# Altium PCB Control_Board_Model_C204.PcbDoc (part 5 of 6) (continued)
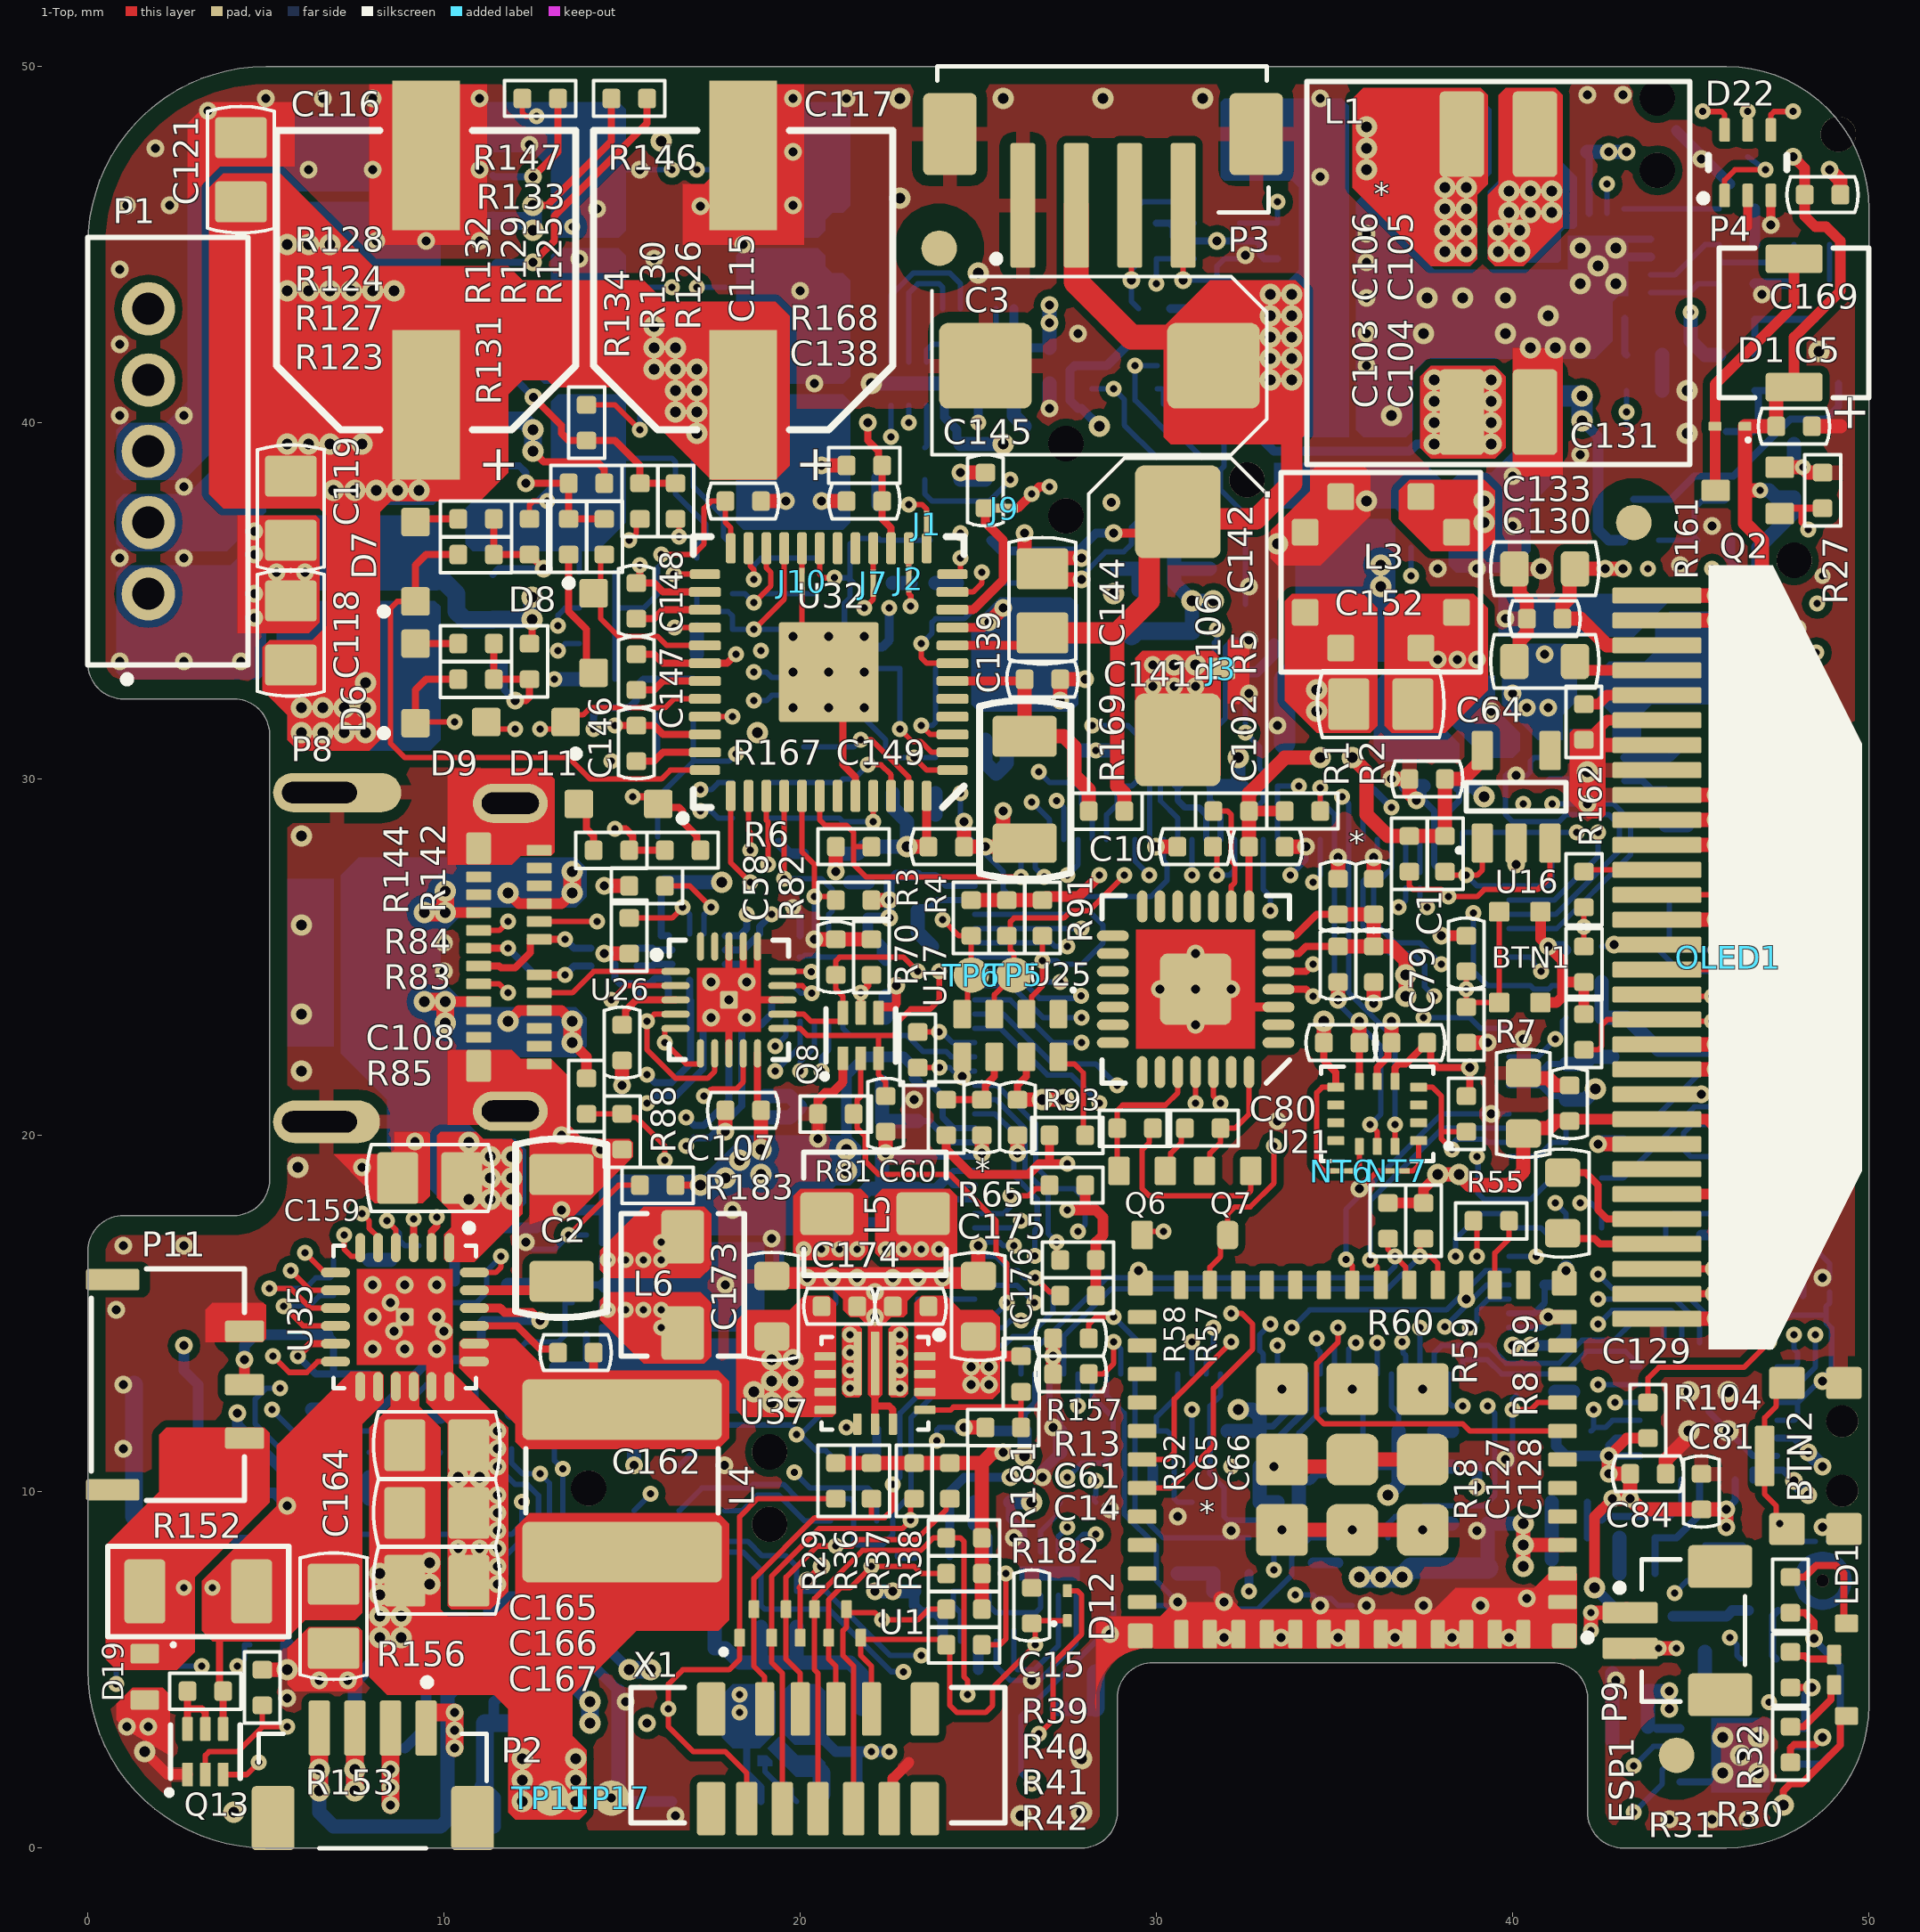
[diagram p0: 1-Top view]
## Nets (pads, with @x,y where several pads share a name; then routed paths per layer and width w, separated by ;. In a path a pad name is that pad's centre, name@x,y a point inside that pad or via, vN(x,y) a via of type N, cw(c..) or ccw(c..) an arc to the next point about the centre after c; other vN are vias at no path point) (continued)
  4-PWR w0.152: v1(43.8,35.9) v1(45.6,35.9)
  8-Bottom w0.152: v1(31.7,27.3) 32.041,27.3 32.2,27.459 U24.80@32.2,28.3
PC7: C11.1 R38.1 U1.8 U24.81 X1.4 | length 71.4
  1-Top w0.152: X1.4@20,3.9 20,4.9 19.6,5.3 U1.8@19.6,6.7 19.6,7.6 20.473,8.473 v1(21,8.473) 21.442,8.473 21.627,8.658 23.258,8.658 24.1,9.5 R38.1@24.1,9.8
  3-SIGNAL w0.152: v1(21,8.473) 22.227,9.7 23.169,9.7 26.49,13.021 26.49,13.562 27.081,14.153 27.081,15.905 28.381,17.205 28.381,19.685 30.992,22.295 37.195,22.295 38.21,23.31 40.579,23.31 43.395,26.126 43.395,34.295 44.4,35.3 44.4,36.2 44.1,36.5 39.7,36.5 36.5,33.3 33.3,33.3 32.5,32.5 v1(32.5,31.3)
  8-Bottom w0.152: C11.1@32.5,32 v1(32.5,31.3) 32.9,30.9 32.9,30.3 33,30.2 33,29.4 32.6,29 U24.81@32.6,28.3
PC8: R5.1 TP1.1 U8.3 U20.5 U20.16 U21.13 U22.19 U24.87 U29.6 U32.40 U35.5 | length 113.9
  1-Top w0.152: v1(7.7,17.8) 7.896,17.604 7.896,17.396 8.15,17.141 U35.5@8.15,16.85 ; v1(19.55,27.2) U32.40@19.55,29.525 ; R5.1@34.6,29.1 34.6,29.752 v1(34.602,29.754) ; v1(36,20.3) 36.2,20.1 U21.13@36.2,19.688
  3-SIGNAL w0.152: v1(4.2,5.1) 3.7,4.6 3,4.6 2.746,4.854 2.746,5.546 6.7,9.5 6.7,17.5 7,17.8 v1(7.7,17.8) 7.9,17.6 7.9,17.3 9.2,16 16.8,16 19.8,19 19.8,20.598 20.602,21.4 v1(20.602,21.8) ; v1(19.55,27.2) 19.921,27.571 24.671,27.571 25.9,28.8 27.7,28.8 28.1,29.2 34.048,29.2 v1(34.602,29.754)
  6-SIGNAL w0.152: v1(19.55,27.2) 20.7,27.2 20.9,27 20.9,22.9 20.6,22.6 20.602,22.598 v1(20.602,21.8) ; v1(36,20.3) 36,19 37,18 40.2,18 40.8,18.6 44.569,18.6 47.898,15.271 v1(47.898,14.4) 47.898,13.698 47.15,12.95 46.9,12.7 46.6,12.4 46.6,5.2 44.2,2.8 43.2,2.8 42.8,2.4 42.8,1.6 v1(43.4,1)
  8-Bottom w0.152: v1(4.2,5.1) 4.4,5.3 4.4,5.7 U8.3@4.55,5.7 ; v1(19.55,27.2) 20.6,27.2 20.9,26.9 20.9,26.3 20.8,26.2 U20.16@20.8,25.6 ; v1(20.602,21.8) 20.6,21.802 20.6,22.2 20.8,22.4 U20.5@20.8,23.2 ; v1(34.602,29.754) 34.602,29.398 35,29 U24.87@35,28.3 35,23.8 36.3,22.5 36.3,20.6 v1(36,20.3) ; v1(43.4,1) 44.2,1.8 44.2,2.2 44.35,2.35 U29.6@44.9,2.35 ; U22.19@47.425,13.5 47.9,13.5 48,13.6 48,13.9 47.9,14 47.9,14.398 v1(47.898,14.4)
PC9: R6.1 TP2.1 U8.4 U20.6 U20.15 U21.14 U22.20 U24.88 U29.7 U32.41 U35.6 | length 109.7
  1-Top w0.152: v1(7.2,17.2) 7.2,16.8 7.4,16.6 7.6,16.6 7.65,16.65 U35.6@7.65,16.85 ; U32.41@20.05,29.525 20.05,27.95 20.4,27.6 v1(20.4,26.7) R6.1@21,26.7 ; U21.14@36.7,19.688 v1(36.7,20.3)
  3-SIGNAL w0.152: v1(3.2,5.1) 3.2,5.5 7.1,9.4 7.1,16.6 7.2,16.7 v1(7.2,17.2) 7.5,17.2 9.1,15.6 17,15.6 20.2,18.8 20.2,20.5 21.1,21.4 21.1,22.1 20.9,22.3 20.2,22.3 20,22.1 v1(20,21.8) ; v1(20.4,26.7) 21.6,26.7 22.1,27.2 24.9,27.2 26.1,28.4 27.9,28.4 28.3,28.8 34.5,28.8 v1(35.204,29.504)
  6-SIGNAL w0.152: v1(20,21.8) 20,23 19.7,23.3 19.7,25.1 20.4,25.8 v1(20.4,26.7) ; v1(36.7,20.3) 36.7,18.731 37.126,18.305 40.074,18.305 40.674,18.905 44.695,18.905 48.5,15.1 v1(48.5,14.4) 48.5,13.8 47,12.3 47,5.084 44.216,2.3 v1(43.4,2.3)
  8-Bottom w0.152: U8.4@1.65,5.7 1.9,5.7 1.9,5.4 2.2,5.1 v1(3.2,5.1) ; v1(20,21.8) 20,22.069 20.4,22.469 U20.6@20.4,23.2 ; U20.15@20.4,25.6 v1(20.4,26.7) ; v1(35.204,29.504) 35.4,29.307 U24.88@35.4,28.3 35.4,24 36.7,22.7 v1(36.7,20.3) ; v1(43.4,2.3) 43.95,2.85 U29.7@44.9,2.85 ; U22.20@47.425,13 48,13 48.5,13.5 v1(48.5,14.4)
PC10: U18.3 U24.100 | length 28.7
  6-SIGNAL w0.152: v1(41.104,29.304) 42.504,29.304 43.1,29.9 43.1,34.214 44.3,35.414 44.3,45.05 v1(42.65,46.7)
  8-Bottom w0.152: U24.100@39.9,25.8 41.203,25.8 41.207,25.803 41.234,25.803 43.304,27.874 43.304,28.826 42.826,29.304 v1(41.104,29.304) ; U18.3@42.65,45.875 v1(42.65,46.7)
PC11: U24.101
PC12: Q2.1 R27.1 U24.102 | length 19.1
  1-Top w0.152: 48.1,37.6 48.1,37.2 v1(48.3,37)
  1-Top w0.2: Q2.1@47.5,37.45 47.65,37.6 48.1,37.6 R27.1@48.7,37.6
  6-SIGNAL w0.152: v1(40.8,24.6) 41.1,24.6 41.5,25 41.5,26.369 44.014,28.883 44.014,33.314 47.7,37 v1(48.3,37)
  8-Bottom w0.152: U24.102@39.9,25 40.5,25 40.589,24.911 40.589,24.814 40.8,24.602 v1(40.8,24.6)
PC13: D12.2 U24.7 | length 21.9
  1-Top w0.152: v1(26.7,3.2) 27.1,3.6 27.1,5.2 27.9,6 27.9,7.1 27.78,7.22 D12.2@27.5,7.22
  6-SIGNAL w0.152: v1(26.7,3.2) 26.7,4.831 27.974,6.105 29.636,6.105 30.067,6.105 36.2,12.238 v1(36.2,14.175)
  8-Bottom w0.152: U24.7@36.2,13.3 v1(36.2,14.175)
PC14: U23.3 U24.8 | length 2.3
  8-Bottom w0.152: U23.3@35.4,11.4 35.8,11.4 U24.8@35.8,13.3
PC15: C12.1 R39.1 U1.7 U24.9 X1.5 | length 43.5
  1-Top w0.152: X1.5@20.5,1.1 20.5,4.9 20.4,5 U1.7@20.4,6.7 20.4,7 21.754,8.354 23.385,8.354 23.731,8.7 R39.1@24.1,8.7 24.5,8.7 24.6,8.6 24.6,4.8 24.7,4.7 v1(24.7,4.3)
  3-SIGNAL w0.152: v1(24.7,4.3) 24.7,4.869 27.526,7.695 29.526,7.695 30.626,8.795 34.226,8.795 39.3,13.869 39.3,14.9 39,15.2 36.3,15.2 35.598,14.498 v1(35.598,14.177)
  8-Bottom w0.152: C12.1@34,11.2 34,11.649 34.651,12.3 35,12.3 35.4,12.7 U24.9@35.4,13.3 35.4,14 35.6,14.2 35.6,14.18 v1(35.598,14.177)
PD0: U24.108
PD1: R17.2 R64.1 U24.109 | length 26.9
  3-SIGNAL w0.152: v1(28.3,10.3) 28.258,10.3 27.1,11.458 27.1,13.309 27.691,13.9 27.691,15.652 28.991,16.952 28.991,19.432 31.244,21.686 37.448,21.686 38.462,22.7 v1(41.2,22.7)
  8-Bottom w0.152: R64.1@28.3,9.7 28.2,9.8 28.3,9.9 v1(28.3,10.3) ; U24.109@39.9,22.2 40.7,22.2 v1(41.2,22.7) 41.4,22.9 41.4,23.2 R17.2@41.5,23.3
PD2: U24.112
PD5: R18.2 U21.4 U24.115 | length 4.9
  1-Top w0.152: U21.4@37.362,21.35 37.75,21.35 38,21.1 38,20.1 ; v1(38.3,19.6) 38,19.9 38,20.1 ; R18.2@38.7,20.1 38,20.1
  8-Bottom w0.152: v1(38.3,19.6) 38.3,19.755 38.44,19.895 39.2,19.895 39.295,19.8 U24.115@39.9,19.8
PD6: C8.1 R29.1 U1.1 U24.116 X1.1 | length 79.6
  1-Top w0.152: X1.1@18.5,1.1 18.5,2.1 17.9,2.7 17,2.7 16.3,3.4 v1(16.3,3.9) 16.3,4.6 16.7,5 18,5 18.3,5.3 U1.1@18.3,5.9 18.3,9.3 18.808,9.808 20.992,9.808 R29.1@21,9.8
  3-SIGNAL w0.152: v1(16.3,3.9) 18,2.2 24.531,2.2 28.926,6.595 41.005,6.595 44.2,3.4 45,3.4 45.696,4.096 v1(47.196,4.096)
  6-SIGNAL w0.152: v1(47.196,4.096) 47.7,4.6 47.7,7.6 48.1,8 48.1,9.2 47.4,9.9 47.4,12 49,13.6 49,21 48.7,21.3 v1(48.7,22.2)
  8-Bottom w0.152: U24.116@39.9,19.4 40.7,19.4 41.1,19.8 C8.1@41.5,19.8 41.5,20.2 41.7,20.4 43.9,20.4 45.3,21.8 46.846,21.8 47.1,22.054 47.1,22.5 47.3,22.7 47.9,22.7 48.4,22.2 v1(48.7,22.2)
PD7: U24.117
PD8: R12.2 U24.70 U32.39 | length 14
  1-Top w0.152: U32.39@19.05,29.525 19.05,28.846 19.096,28.8 v1(19.096,27.6)
  2-GND w0.152: v1(26.7,30.2) v1@26.8,30.2
  3-SIGNAL w0.152: v1(19.096,27.6) 19.796,28.3 22.3,28.3 22.7,28.7 23.3,28.7 23.7,28.3 24.8,28.3 v1(26.7,30.2)
  8-Bottom w0.152: v1(26.7,30.2) 27,29.9 27.7,29.9 R12.2@27.8,29.8 27.9,29.7 27.9,29.3 28.2,29 U24.70@28.2,28.3
PD9: J11.2 R11.2 U24.71 | length 2.7
  8-Bottom w0.152: U24.71@28.6,28.3 28.6,29 28.9,29.3 R11.2@28.9,29.8 29.3,29.8 29.5,30 J11.2@29.5,30.4
PD10: U24.72
PD11: U24.73 U32.12 | length 14.4
  1-Top w0.152: U32.12@24.275,35.75 24.45,35.75 24.5,35.8 v1(24.5,36.2)
  6-SIGNAL w0.152: v1(24.5,36.2) 24.2,35.9 24.2,30.8 26.2,28.8 28.3,28.8 v1(29.8,27.3)
  8-Bottom w0.152: U24.73@29.4,28.3 29.4,27.7 v1(29.8,27.3)
PD12: U24.74 U33.4 | length 14.5
  3-SIGNAL w0.152: v1(31.7,34.2) 36.4,34.2 37.15,34.95 v1(37.15,35.7)
  8-Bottom w0.152: U24.74@29.8,28.3 29.805,28.305 29.805,30.905 30.3,31.4 31.2,31.4 31.628,31.828 31.628,33.828 31.7,33.9 v1(31.7,34.2) ; v1(37.15,35.7) U33.4@37.15,36.5
PD13: R68.2 U24.75 | length 50.2
  3-SIGNAL w0.152: v1(5.4,12.902) 5.398,12.9 5,12.9 4.895,13.005 4.126,13.005 3.705,13.426 3.705,15.105 6.9,18.3 8.4,18.3 8.8,18.7 8.8,27.3 9.5,28 13.9,28 14.3,27.6 17.069,27.6 19.378,29.909 24.191,29.909 v1(24.5,29.6)
  8-Bottom w0.152: v1(5.4,12.902) 5.002,12.902 4.7,12.6 4.7,11.9 6.1,10.5 6.7,10.5 6.9,10.3 R68.2@6.9,9.8 ; v1(24.5,29.6) 24.5,28.6 25.7,27.4 25.7,26.9 25.9,26.7 29.841,26.7 30.3,27.159 30.3,27.6 30.2,27.7 U24.75@30.2,28.3
PD14: R165.2 U24.76 | length 7.5
  8-Bottom w0.152: U24.76@30.6,28.3 30.6,28.9 30.109,29.391 30.109,30.779 30.426,31.096 31.326,31.096 31.933,31.702 31.933,33.702 32.13,33.9 R165.2@32.5,33.9
PD15: R69.2 U24.77 | length 61.8
  3-SIGNAL w0.152: v1(5.169,12.3) 4.769,12.7 4,12.7 3.4,13.3 3.4,15.231 6.774,18.605 8.274,18.605 8.495,18.826 8.495,27.426 9.374,28.305 14.026,28.305 14.426,27.905 16.943,27.905 20.1,31.062 20.1,36.2 20.8,36.9 v1(24.5,36.9)
  6-SIGNAL w0.152: v1(24.5,36.9) 25.2,36.9 29.1,33 29.1,29.202 v1(31,27.302)
  8-Bottom w0.152: v1(5.169,12.3) 5.769,11.7 8.2,11.7 9.5,13 9.8,13 R69.2@9.9,13.1 ; v1(31,27.302) U24.77@31,28.3
PE0: R78.2 U9.15 U24.125 | length 43.4
  6-SIGNAL w0.152: v1(12.7,10.5) 12.7,8.6 14.4,6.9 19.1,6.9 23.5,2.5 26.8,2.5 27.3,3 27.3,5 28.1,5.8 30.192,5.8 38.1,13.708 v1(38.1,14.631)
  8-Bottom w0.152: R78.2@11.9,11.2 11.9,10.8 12.195,10.505 12.695,10.505 v1(12.7,10.5) 12.958,10.242 12.958,8.996 12.25,8.288 U9.15@12.25,7.685 ; v1(38.1,14.631) 39.269,15.8 U24.125@39.9,15.8
PE1: R75.2 U9.1 U24.126 | length 34.2
  3-SIGNAL w0.152: v1(23.4,5.4) 24.8,5.4 27.4,8 29.4,8 30.5,9.1 34.1,9.1 38.8,13.8 v1(38.8,14.6)
  8-Bottom w0.152: U9.1@13.385,7.05 13.745,7.05 13.9,7.205 13.9,8.131 14.374,8.605 18.526,8.605 18.931,8.2 19.6,8.2 19.9,7.9 R75.2@19.9,7.2 20.731,7.2 22.531,5.4 v1(23.4,5.4) ; v1(38.8,14.6) 39,14.8 39,15.1 39.3,15.4 U24.126@39.9,15.4
PE2: U22.12 U24.1 | length 6.1
  8-Bottom w0.152: U24.1@38.6,13.3 38.6,13.7 39.292,13.7 39.689,13.304 41.435,13.304 42.073,13.942 43.158,13.942 43.358,13.742 43.358,13.5 U22.12@43.575,13.5
PE3: U22.14 U24.2 | length 10.5
  6-SIGNAL w0.152: v1(38.6,12.4) 39.3,11.7 40.6,11.7 41.05,12.15 41.05,13.35 v1(42.4,14.7)
  8-Bottom w0.152: U24.2@38.2,13.3 38.2,12.5 38.3,12.4 v1(38.6,12.4) ; v1(42.4,14.7) 42.79,15.09 44.448,15.09 44.75,14.788 U22.14@44.75,14.175
PE4: U22.13 U24.3 | length 8.4
  8-Bottom w0.152: U24.3@37.8,13.3 37.8,13.9 38,14.1 39.323,14.1 39.815,13.608 41.308,13.608 41.946,14.246 42.846,14.246 43.386,14.786 44.114,14.786 44.25,14.65 U22.13@44.25,14.175
PE5: U22.16 U24.4 | length 11.3
  6-SIGNAL w0.152: v1(37.4,14.6) 37.89,15.09 41.39,15.09 v1(42.4,16.1)
  8-Bottom w0.152: U24.4@37.4,13.3 v1(37.4,14.6) ; v1(42.4,16.1) 42.795,15.705 44.695,15.705 45.75,14.65 U22.16@45.75,14.175
PE6: U22.15 U24.5 | length 13.5
  6-SIGNAL w0.152: v1(36.9,14.2) 36.9,14.9 37.395,15.395 40.826,15.395 41.985,16.554 42.746,16.554 43,16.3 43,15.7 42.7,15.4 v1(42.4,15.4)
  8-Bottom w0.152: v1(36.9,14.2) 36.919,14.181 36.919,13.9 37,13.819 U24.5@37,13.3 ; v1(42.4,15.4) 44.569,15.4 45.25,14.719 U22.15@45.25,14.175
PE7: C44.2 R70.1 U9.13 U24.53 | length 30.2
  1-Top w0.152: R70.1@23.3,22.9 v1(23.9,22.9)
  3-SIGNAL w0.152: v1(12.183,9.717) 12.7,9.2 16.4,9.2 17.1,9.9 20,9.9 20.5,10.4 20.5,15.1 19.5,16.1 19.5,17.069 19.931,17.5 23,17.5 23.3,17.8 23.3,22.3 v1(23.9,22.9)
  8-Bottom w0.152: U9.13@11.25,7.685 11.25,8.75 C44.2@11.2,8.8 11.9,8.8 12.183,9.083 v1(12.183,9.717) ; v1(23.9,22.9) 23.98,22.9 24.28,22.6 U24.53@24.9,22.6
PE8: R104.1 U22.18 U24.54 | length 34.4
  1-Top w0.152: R104.1@43.8,12.5 43.8,13.19 44.1,13.49 46.49,13.49 v1(47.2,14.2)
  6-SIGNAL w0.152: v1(28.4,20.9) 28.4,21.541 28.759,21.9 32,21.9 32.605,21.295 32.605,20.474 32.405,20.274 32.405,19.126 34.173,17.358 45.242,17.358 47.2,15.4 v1(47.2,14.2)
  8-Bottom w0.152: U24.54@24.9,23 25.631,23 26.936,21.695 27.605,21.695 v1(28.4,20.9) ; U22.18@46.75,14.175 46.775,14.2 v1(47.2,14.2)
PE9: R103.1 U22.9 U24.55 | length 29.9
  6-SIGNAL w0.152: v1(28.9,21.4) 32.069,21.4 32.3,21.169 32.3,20.6 32.1,20.4 32.1,19 34.046,17.054 42.8,17.054 43.4,16.454 43.4,15 41.9,13.5 41.9,12.673 v1(42.273,12.3)
  8-Bottom w0.152: U24.55@24.9,23.4 25.7,23.4 27.1,22 28.3,22 v1(28.9,21.4) ; R103.1@42.2,11.7 R103.1@42.3,11.8 ; v1(42.273,12.3) 42.273,11.827 R103.1@42.3,11.8 ; U22.9@43.575,12 42.8,12 42.6,11.8 R103.1@42.3,11.8
PE10: U24.56 U28.6 | length 33.5
  6-SIGNAL w0.152: v1(27.9,22.6) 28.2,22.9 32.5,22.9 34.224,21.176 37.324,21.176 38.1,20.4 40.9,20.4 42.014,19.286 47.079,19.286 48.21,20.416 48.21,22.29 47.6,22.9 47.6,24.873 46.712,25.76 v1(46.298,25.76)
  8-Bottom w0.152: U24.56@24.9,23.8 25.896,23.8 27.096,22.6 v1(27.9,22.6) ; U28.6@45.665,26.5 45.665,25.935 45.84,25.76 v1(46.298,25.76)
PE11: R149.2 U24.57 U28.1 | length 34.5
  6-SIGNAL w0.152: v1(27.9,23.3) 32.531,23.3 34.35,21.481 37.45,21.481 38.226,20.705 41.026,20.705 42.141,19.59 46.953,19.59 47.905,20.543 47.905,21.895 v1(47.6,22.2)
  8-Bottom w0.152: U24.57@24.9,24.2 25.927,24.2 26.827,23.3 v1(27.9,23.3) ; R149.2@47.3,17.2 47.3,17.6 47.5,17.8 47.9,17.8 48.1,18 48.1,18.395 U28.1@48.205,18.5 48.205,19.195 47.6,19.8 47.6,20.8 47.7,20.9 48.4,20.9 48.7,21.2 48.7,21.5 48.5,21.7 48.1,21.7 v1(47.6,22.2)
PE12: U24.58 U28.5 | length 33.6
  6-SIGNAL w0.152: v1(27.879,23.921) 27.921,23.921 28.237,23.605 32.657,23.605 34.476,21.786 37.577,21.786 38.353,21.01 41.153,21.01 42.267,19.895 46.826,19.895 47.6,20.669 47.6,21.5 47.1,22 47.1,23 47.295,23.195 47.295,24.746 46.841,25.2 v1(45.7,25.2)
  8-Bottom w0.152: U24.58@24.9,24.6 25.959,24.6 26.712,23.846 27.805,23.846 v1(27.879,23.921) ; U28.5@44.395,26.5 44.395,25.505 44.7,25.2 v1(45.7,25.2)
PE13: U24.59 U28.2 | length 33.5
  6-SIGNAL w0.152: v1(27.3,24.3) 27.5,24.5 28,24.5 28.59,23.91 32.784,23.91 34.603,22.09 37.703,22.09 38.479,21.314 41.279,21.314 42.393,20.2 43.1,20.2 43.298,20.2 43.43,20.332 43.43,21.192 43.562,21.324 43.959,21.324 44.091,21.192 44.091,20.332 44.223,20.2 44.619,20.2 44.751,20.332 44.751,21.192 44.883,21.324 45.279,21.324 45.411,21.192 45.411,20.289 45.5,20.2 46.7,20.2 47.1,20.6 v1(47.1,21.3)
  8-Bottom w0.152: U24.59@24.9,25 25.99,25 26.69,24.3 v1(27.3,24.3) ; U28.2@46.935,18.5 46.935,19.2 46.835,19.3 46.2,19.3 46,19.5 46,19.8 46.195,19.995 46.895,19.995 47.1,20.2 v1(47.1,21.3)
PE14: R150.2 U24.60 U28.3 | length 35
  6-SIGNAL w0.152: v1(27.5,25.3) 27.995,24.805 28.8,24.805 28.998,24.805 29.13,24.937 29.13,25.013 29.262,25.145 29.659,25.145 29.791,25.013 29.791,24.805 29.791,24.346 29.923,24.214 30.319,24.214 30.451,24.346 30.451,24.805 30.451,25.013 30.583,25.145 30.979,25.145 31.111,25.013 31.111,24.805 31.111,24.346 31.243,24.214 31.64,24.214 31.772,24.346 31.772,24.673 31.904,24.805 32.319,24.805 32.553,24.571 32.712,24.412 34.729,22.395 34.995,22.395 35.2,22.6 35.2,23 35.4,23.2 35.8,23.2 36,23 36,22.595 36.2,22.395 40.326,22.395 40.821,21.9 45.8,21.9 v1(46.4,21.3)
  8-Bottom w0.152: U24.60@24.9,25.4 27.054,25.4 27.154,25.3 v1(27.5,25.3) ; R150.2@44.3,17.2 44.3,17.6 44.5,17.8 45.5,17.8 45.665,17.965 U28.3@45.665,18.5 45.665,19.265 45.53,19.4 45,19.4 44.8,19.6 44.8,20.069 45.031,20.3 46.5,20.3 46.7,20.5 46.7,21 v1(46.4,21.3)
PE15: R151.2 U24.61 U28.7 | length 37.7
  6-SIGNAL w0.152: v1(27.9,25.8) 28.3,25.8 28.65,25.45 34.508,25.45 37.258,22.7 40.453,22.7 40.948,22.205 41.4,22.205 41.598,22.205 41.73,22.337 41.73,23.058 41.862,23.19 42.259,23.19 42.391,23.058 42.391,22.337 42.523,22.205 42.919,22.205 43.051,22.337 43.051,23.058 43.183,23.19 43.579,23.19 43.711,23.058 43.711,22.337 43.843,22.205 44.24,22.205 44.372,22.337 44.372,23.058 44.504,23.19 44.9,23.19 45.032,23.058 45.032,22.337 45.164,22.205 45.605,22.205 46.8,23.4 v1(46.8,24.6)
  8-Bottom w0.152: U24.61@24.9,25.8 v1(27.9,25.8) ; R151.2@42.5,25.3 44,25.3 44.7,24.6 v1(46.8,24.6) 47.4,24.6 47.6,24.8 47.6,25.4 47.4,25.6 47.135,25.6 46.935,25.8 U28.7@46.935,26.5
PF0: C63.2 R87.2 R90.2 U24.19 | length 16.9
  6-SIGNAL w0.152: v1(31.6,14.6) 31.6,11.2 v1(32.1,10.7)
  5-GND w0.152: v1(32.1,10.7) 33.9,8.9 v1(33.9,7.1)
  8-Bottom w0.152: R87.2@29.8,6.8 30.269,6.8 30.669,6.4 34.3,6.4 34.5,6.6 C63.2@34.5,7 ; U24.19@31.4,13.3 31.4,13.9 31.6,14.1 v1(31.6,14.6) ; v1(33.9,7.1) 34.4,7.1 C63.2@34.5,7 ; R90.2@35.5,6.8 35.1,6.8 34.9,7 C63.2@34.5,7
PF1: Q13.2 R156.2 U24.20 | length 46.7
  1-Top w0.152: Q13.2@3.3,2.06 3.3,2.6 3.4,2.7 4.2,2.7 4.9,3.4 ; R156.2@4.9,4 4.9,3.4 ; v1(5.6,3.4) 4.9,3.4
  6-SIGNAL w0.152: v1(5.6,3.4) 6.3,4.1 6.3,9.5 8.1,11.3 14,11.3 14.8,10.5 14.8,8.6 15.6,7.8 19.395,7.8 21.6,5.595 22.295,5.595 23.719,7.019 29.257,7.019 30.5,8.262 30.5,13.7 v1(31,14.2)
  8-Bottom w0.152: U24.20@31,13.3 v1(31,14.2)
PF2: R56.1 U24.26 | length 13.4
  8-Bottom w0.152: U24.26@28.6,13.3 28.6,12.692 29.092,12.2 29.092,9.377 30,8.469 30,7.5 30.795,6.705 32.846,6.705 33.8,7.659 33.8,8.2 34.3,8.7 R56.1@35.5,8.7
PF4: R176.1 U24.11 U35.9 | length 41.3
  1-Top w0.152: v1(5.1,15.7) 5.7,15.7 6.25,15.15 U35.9@6.95,15.15
  5-GND w0.152: v1(5.1,15.7) 5.769,15.7 8.178,13.291 16.591,13.291 18.286,14.986 21.6,14.986 ; 21.6,14.986 21.9,14.686 21.9,11.9 22.9,10.9 24.6,10.9 27.3,13.6 33.8,13.6 v1(34.5,14.3)
  8-Bottom w0.152: v1(5.1,15.7) 6.1,15.7 6.404,16.004 6.8,16.004 6.9,16.104 R176.1@6.9,16.5 ; v1(34.5,14.3) 34.519,14.281 34.519,14 34.6,13.919 U24.11@34.6,13.3
PF5: R77.2 U9.16 U24.14 | length 34.2
  6-SIGNAL w0.152: v1(13.336,10.636) 13.336,8.464 14.595,7.205 19.295,7.205 21.3,5.2 22.4,5.2 23.914,6.714 29.814,6.714 32.35,9.25 32.6,9.5 32.6,11.2 33.4,12 v1(33.4,14.1)
  8-Bottom w0.152: U9.16@12.75,7.685 12.75,8.357 13.336,8.943 v1(13.336,10.636) 13.1,10.872 R77.2@13.1,11.2 ; U24.14@33.4,13.3 v1(33.4,14.1)
PF6: R2.1 TP3.1 U6.7 U16.1 U24.97 | length 27.8
  1-Top w0.152: R2.1@38.1,27.4 38.2,27.3 v1(38.7,27.3) 39,27.3 39.15,27.45 U16.1@39.15,28.1
  6-SIGNAL w0.152: v1(23.05,40) 23.4,40 27.2,36.2 32.3,36.2 36.8,31.7 36.8,29.9 38.7,28 v1(38.7,27.3)
  8-Bottom w0.152: v1(23.05,40) U6.7@23.05,40.49 ; v1(38.7,27.3) 39,27 U24.97@39.9,27 41,27 41.1,27.1 TP3.1@41.1,27.7
PF7: R155.2 U24.15 U35.24 | length 30.6
  1-Top w0.152: U35.24@10.85,16.15 11.45,16.15 11.6,16.3 v1(11.6,16.6)
  5-GND w0.152: v1(11.6,16.6) 13.9,16.6 15.1,17.8 23.7,17.8 24.8,18.9 26.3,18.9 26.8,18.4 28,18.4 30.947,15.453 32.447,15.453 v1(33.198,14.702)
  8-Bottom w0.152: R155.2@9.3,15.9 9.3,15.5 9.5,15.3 10.9,15.3 11.2,15.6 11.2,16.2 v1(11.6,16.6) ; U24.15@33,13.3 33,13.859 32.9,13.959 32.9,14.405 v1(33.198,14.702)
PF8: U24.16
PF9: U24.17
PF10: C13.1 R40.1 U1.4 U24.18 X1.6 | length 31.4
  1-Top w0.152: X1.6@21,3.9 21,5.1 20.8,5.3 U1.4@20.8,5.9 20.8,6.969 21.131,7.3 21.4,7.3 v1(22,7.9) 23.2,7.9 23.4,7.7 R40.1@24.1,7.7
  3-SIGNAL w0.152: v1(22,7.9) 21.5,7.4 21.5,4.3 22.1,3.7 25.6,3.7 28.8,6.9 30.2,6.9 31.1,7.8 v1(33.3,7.8)
  8-Bottom w0.152: U24.18@31.8,13.3 31.8,12.7 31.504,12.404 31.504,10.5 31.9,10.104 C13.1@31.9,9.7 31.9,9.3 32.004,9.196 33,9.196 33.3,8.896 v1(33.3,7.8)
PF11: R154.2 U24.48 U35.4 | length 26.4
  1-Top w0.152: v1(8.401,17.601) 8.65,17.352 U35.4@8.65,16.85
  5-GND w0.152: v1(8.401,17.601) 10.102,15.9 25.859,15.9 v1(26.579,16.621)
  8-Bottom w0.152: v1(8.401,17.601) 8.751,17.251 8.751,17.049 8.9,16.9 R154.2@9.3,16.9 ; U24.48@24.9,20.6 25.47,20.6 26,20.07 26,18.87 26.653,18.216 26.653,17.412 26.579,17.338 v1(26.579,16.621)
PF12: R157.2 U24.49 U35.7 | length 33.2
  1-Top w0.152: v1(6.1,16.7) 6.65,16.15 U35.7@6.95,16.15 ; v1@27.1,17 v1@27.2,16.9 ; v1(27.2,17) v1@27.2,16.9 ; R157.2@27.3,16.5 27.2,16.6 v1@27.2,16.9
  5-GND w0.152: v1(6.1,16.7) 6.5,16.3 6.5,15.831 8.431,13.9 16.338,13.9 18.034,15.596 24.604,15.596 25.9,14.3 26.7,14.3 27.2,14.8 v1(27.2,17)
  8-Bottom w0.152: U24.49@24.9,21 25.5,21 26.304,20.196 26.304,18.996 26.958,18.342 26.958,17.242 v1(27.2,17)
PF13: R158.2 U24.50 U35.8 | length 39.7
  1-Top w0.152: v1(5.7,16.2) 6.25,15.65 U35.8@6.95,15.65
  5-GND w0.152: v1(5.7,16.2) 6.195,15.705 8.126,13.774 8.305,13.595 16.465,13.595 18.16,15.291 21.726,15.291 22.205,14.812 22.205,12.026 22.804,11.427 v1(23.838,11.427) 24.696,11.427 27.8,14.531 v1(27.8,17.3)
  8-Bottom w0.152: v1(23.838,11.427) 23.838,11.738 23.9,11.8 24.3,11.8 R158.2@24.4,11.7 ; U24.50@24.9,21.4 25.531,21.4 26.609,20.322 26.609,19.122 27.231,18.5 27.7,18.5 28,18.2 28,17.5 v1(27.8,17.3)
PF14: R70.2 U24.51 | length 1.7
  1-Top w0.152: R70.2@23.3,21.8 23.404,21.904 v1(23.904,21.904)
  8-Bottom w0.152: v1(23.904,21.904) 24.196,21.904 24.3,21.8 U24.51@24.9,21.8
PF15: U20.4 U24.52 | length 4.8
  8-Bottom w0.152: U20.4@21.2,23.8 21.2,23 21.4,22.8 23,22.8 23.443,22.357 24.092,22.357 24.241,22.208 24.9,22.208 U24.52@24.9,22.2
PG0: OLED1.15 U24.82 | length 22.1
  1-Top w0.152: OLED1.15@44.05,24.65 45.95,24.65 46.8,25.5 46.8,26.3 v1(46.3,26.8)
  6-SIGNAL w0.152: v1(33.2,26.3) 35.6,26.3 36.295,25.605 38.364,25.605 40.169,23.8 42,23.8 45,26.8 v1(46.3,26.8)
  8-Bottom w0.152: U24.82@33,28.3 33,26.9 33.2,26.7 v1(33.2,26.3)
PG1: OLED1.14 R10.2 U24.83 | length 18.2
  1-Top w0.152: OLED1.14@44.05,23.95 44.1,23.9 v1(45.6,23.9)
  4-PWR w0.152: v1(34,29.8) 34,28.9 34.5,28.4 40.6,28.4 44.1,24.9 44.6,24.9 v1(45.6,23.9)
  8-Bottom w0.152: U24.83@33.4,28.3 33.4,29.8 R10.2@33.5,29.8 v1(34,29.8)
PG2: U24.84
PG3: R4.1 TP5.1 U7.7 U17.3 U24.85 | length 44.1
  1-Top w0.152: U17.3@25.45,23.4 25.45,23.95 TP5.1@26,24.5 26,25.1 25.9,25.2 25.9,26 26,26.1 27.4,26.1 27.6,26.3 28.1,26.3 v1(29.1,27.3)
  3-SIGNAL w0.152: v1(29.1,27.3) 29.7,27.9 33.161,27.9 v1(33.761,27.3)
  6-SIGNAL w0.152: v1(27.5,9) 27.9,9.4 28.3,9.4 29.314,10.414 29.314,18.786 28.1,20 24.1,20 22.495,21.605 22.495,25.326 24.969,27.8 28.6,27.8 v1(29.1,27.3)
  8-Bottom w0.152: U7.7@27.25,8.31 27.25,8.75 v1(27.5,9) ; v1(33.761,27.3) 34.2,27.739 U24.85@34.2,28.3
PG4: R3.1 TP6.1 U7.8 U17.4 U24.86 | length 41.1
  1-Top w0.152: v1(24,26.054) 24.454,25.6 R3.1@24.8,25.6 TP6.1@24.8,24.5 24.7,24.4 24.7,23.55 U17.4@24.55,23.4
  3-SIGNAL w0.152: v1(24,26.054) 24.354,26.054 26.2,27.9 28.2,27.9 28.6,28.3 33.7,28.3 34.4,27.6 v1(34.4,27.1)
  6-SIGNAL w0.152: v1(24,26.054) 22.8,24.854 22.8,21.9 24.3,20.4 28.2,20.4 29.7,18.9 29.7,10.2 v1(28.3,8.8)
  8-Bottom w0.152: U7.8@27.75,8.31 27.75,8.609 27.941,8.8 v1(28.3,8.8) ; v1(34.4,27.1) 34.6,27.3 U24.86@34.6,28.3
PG5: U24.103
PG6: R16.2 R63.1 U24.104 | length 29.5
  6-SIGNAL w0.152: v1(25.9,38.4) 26.192,38.692 30.408,38.692 36.8,32.3 37.6,32.3 39.8,30.1 39.8,27.146 v1(38.9,26.246)
  8-Bottom w0.152: R63.1@23.5,38.4 23.5,38 23.7,37.8 25.3,37.8 v1(25.9,38.4) ; v1(38.9,26.246) 38.9,24.6 39.3,24.2 U24.104@39.9,24.2 40.5,24.2 40.6,24.1 41,24.1 41.1,24.2 41.4,24.2 R16.2@41.5,24.3
PG7: U24.105
PG8: U24.106
PG9: U24.107 U37.8 | length 26.6
  1-Top w0.152: v1(21.3,11.8) 21.473,11.8 21.573,11.7 U37.8@21.6,11.727
  3-SIGNAL w0.152: v1(21.3,11.8) 22.569,11.8 23.134,12.366 23.6,12.831 23.6,14.5 25,15.9 25,18.9 25.8,19.7 27.9,19.7 30.8,22.6 35.9,22.6 36.6,23.3 v1(37.5,23.3)
  8-Bottom w0.152: v1(37.5,23.3) 38.8,23.3 39.1,23 U24.107@39.9,23
PG10-NRST: C101.1 R105.2 U24.21 | length 4.8
  8-Bottom w0.152: C101.1@29.9,11.7 C101.1@30,11.7 ; U24.21@30.6,13.3 30.6,12.7 30,12.1 C101.1@30,11.7 ; R105.2@31,9.7 30.6,9.7 30.496,9.804 30.496,11.504 30.3,11.7 C101.1@30,11.7
PIN#6A: D22.6 X9.6 | length 1.1
  1-Top w0.152: v1(45.33,48.735) 45.865,48.735 45.95,48.65 D22.6@45.95,48.22
QON: R42.2 U35.12 | length 30.5
  1-Top w0.152: v1(5.2,13.8) 5.653,13.347 6.147,13.347 6.45,13.65 U35.12@6.95,13.65 ; R42.2@25.1,5.7 25.6,5.7 25.773,5.873 v1(25.773,7.7)
  6-SIGNAL w0.152: v1(5.2,13.8) 5.7,13.3 16.1,13.3 17.095,14.295 20.174,14.295 20.5,13.969 20.5,10.7 23.5,7.7 v1(25.773,7.7)
REF: C46.2 R68.1 R71.1 R72.2 U9.11 | length 6.5
  8-Bottom w0.152: R71.1@6.9,7.8 R68.1@6.9,8.8 R72.2@7.9,8.8 C46.2@8.9,8.8 8.9,7.3 9.65,6.55 U9.11@10.615,6.55
REGN: C163.2 R177.1 U35.22 | length 8.4
  1-Top w0.25: U35.22@10.85,15.15 11.577,15.15 11.7,15.027 12.473,15.027 v5(12.7,14.8)
  8-Bottom w0.25: R177.1@7.9,12.3 8,12.4 8.299,12.4 9.599,13.7 10.9,13.7 11.05,13.85 C163.2@11.05,14.5 11.05,14.75 11.1,14.8 v5(12.7,14.8)
SBU1: U20.11 U26.15 | length 2
  1-Top w0.152: U26.15@19.5,24.6 20.2,24.6 20.3,24.5 20.307,24.507 v1(20.307,24.593)
  3-SIGNAL w0.152: v1@20.2,24.5 20.3,24.5 20.307,24.507 v1(20.307,24.593)
  8-Bottom w0.152: U20.11@19.4,24.6 20.3,24.6 v1(20.307,24.593)
SBU2: U20.10 U26.14 | length 1.9
  1-Top w0.152: U26.14@19.5,24.2 20.059,24.2 20.267,23.991 v1(20.323,23.991)
  8-Bottom w0.152: U20.10@19.4,24.2 19.8,24.2 20.009,23.991 v1(20.323,23.991)
SENSE1_N: J5.2 R109.1 | length 4.1
  8-Bottom w0.152: J5.2@17.944,39 17.1,39 17.001,38.901 17.001,38.209 17.851,37.359 17.851,36.8 18.1,36.551 R109.1@18.1,36.2
SENSE1_P: Q10.1 R110.1 R113.1 R132.2 R135.2 | length 8
  1-Top w0.152: R132.2@12.4,37.3 12.4,37.7 12.5,37.8 v1(12.9,37.8)
  8-Bottom w0.152: R113.1@13.8,35.8 13.8,36.8 ; R135.2@13.8,38.7 R135.2@14,38.9 14.1,39 16.4,39 16.499,38.901 16.499,38.001 17.349,37.151 17.349,36.8 17.1,36.551 R110.1@17.1,36.2
SENSE2_N: J6.2 R111.1 | length 15.9
  6-SIGNAL w0.152: v1(17.1,43.8) 17.1,43.449 16.951,43.3 16.951,43.067 18.302,41.715 18.302,36.836 17.6,36.133 17.6,33.201 18,32.801 18.501,32.801 v1(18.7,33)
  8-Bottom w0.152: v1(17.1,43.8) J6.2@17.9,43.8 ; v1(18.7,33) 19.051,33 19.2,32.851 20.225,32.851 20.474,33.1 R111.1@20.8,33.1
SENSE2_P: Q11.1 R112.1 R114.1 R134.2 R136.2 | length 29.1
  1-Top w0.152: R134.2@14,40.5 14.8,40.5 v1(15.5,39.8)
  6-SIGNAL w0.152: v1(16.4,43.8) 16.4,43.449 16.549,43.3 16.549,42.9 17.9,41.549 17.9,37.002 17.198,36.3 17.198,33.035 17.833,32.399 18.501,32.399 v1(18.7,32.2)
  7-GND w0.152: v1(13.2,34.3) 13.6,34.7 13.6,36.2 15.5,38.1 v1(15.5,39.8)
  8-Bottom w0.152: v1(13.2,34.3) 13.2,34.6 13.4,34.8 R114.1@13.8,34.8 ; R136.2@14.1,43.8 v1(16.4,43.8) ; 14.9,41.3 15.5,40.7 v1(15.5,39.8) ; v1(18.7,32.2) 19.051,32.2 19.2,32.349 20.225,32.349 20.474,32.1 R112.1@20.8,32.1
SENSE3_N: J8.2 R137.1 | length 21.7
  6-SIGNAL w0.152: v1(17.1,47.1) 17.1,46.749 16.951,46.6 16.951,45.551 14.7,43.3 14.7,33.069 16.3,31.469 16.3,29.901 16.6,29.601 16.8,29.601 16.9,29.701 v1(17.2,29.701)
  8-Bottom w0.152: v1(17.1,47.1) J8.2@17.9,47.1 ; v1(17.2,29.701) 17.501,29.701 17.7,29.9 R137.1@18.1,29.9
SENSE3_P: Q12.1 R115.1 R138.1 R147.2 R148.2 | length 39.3
  1-Top w0.152: R147.2@12.2,49.1 12.2,48.7 12.3,48.6 v1(12.6,48.6)
  6-SIGNAL w0.152: v1(13.2,33.6) 12.3,33.6 11.6,34.3 11.6,42 13.3,43.7 13.3,45.2 v1(13.6,45.5) ; v1(16.4,47.1) 16.4,46.749 16.549,46.6 16.549,45.718 14.298,43.467 14.298,32.902 15.898,31.302 15.898,29.735 16.433,29.199 16.767,29.199 16.867,29.099 v1(17.2,29.099)
  8-Bottom w0.152: v1(13.2,33.6) 13.4,33.8 R115.1@13.8,33.8 ; R148.2@14.1,47.1 v1(16.4,47.1) ; v1(17.2,29.099) 17.501,29.099 17.7,28.9 R138.1@18.1,28.9